# Altium PCB HORNET-1-IPG.PcbDoc (part 7 of 8) (continued)
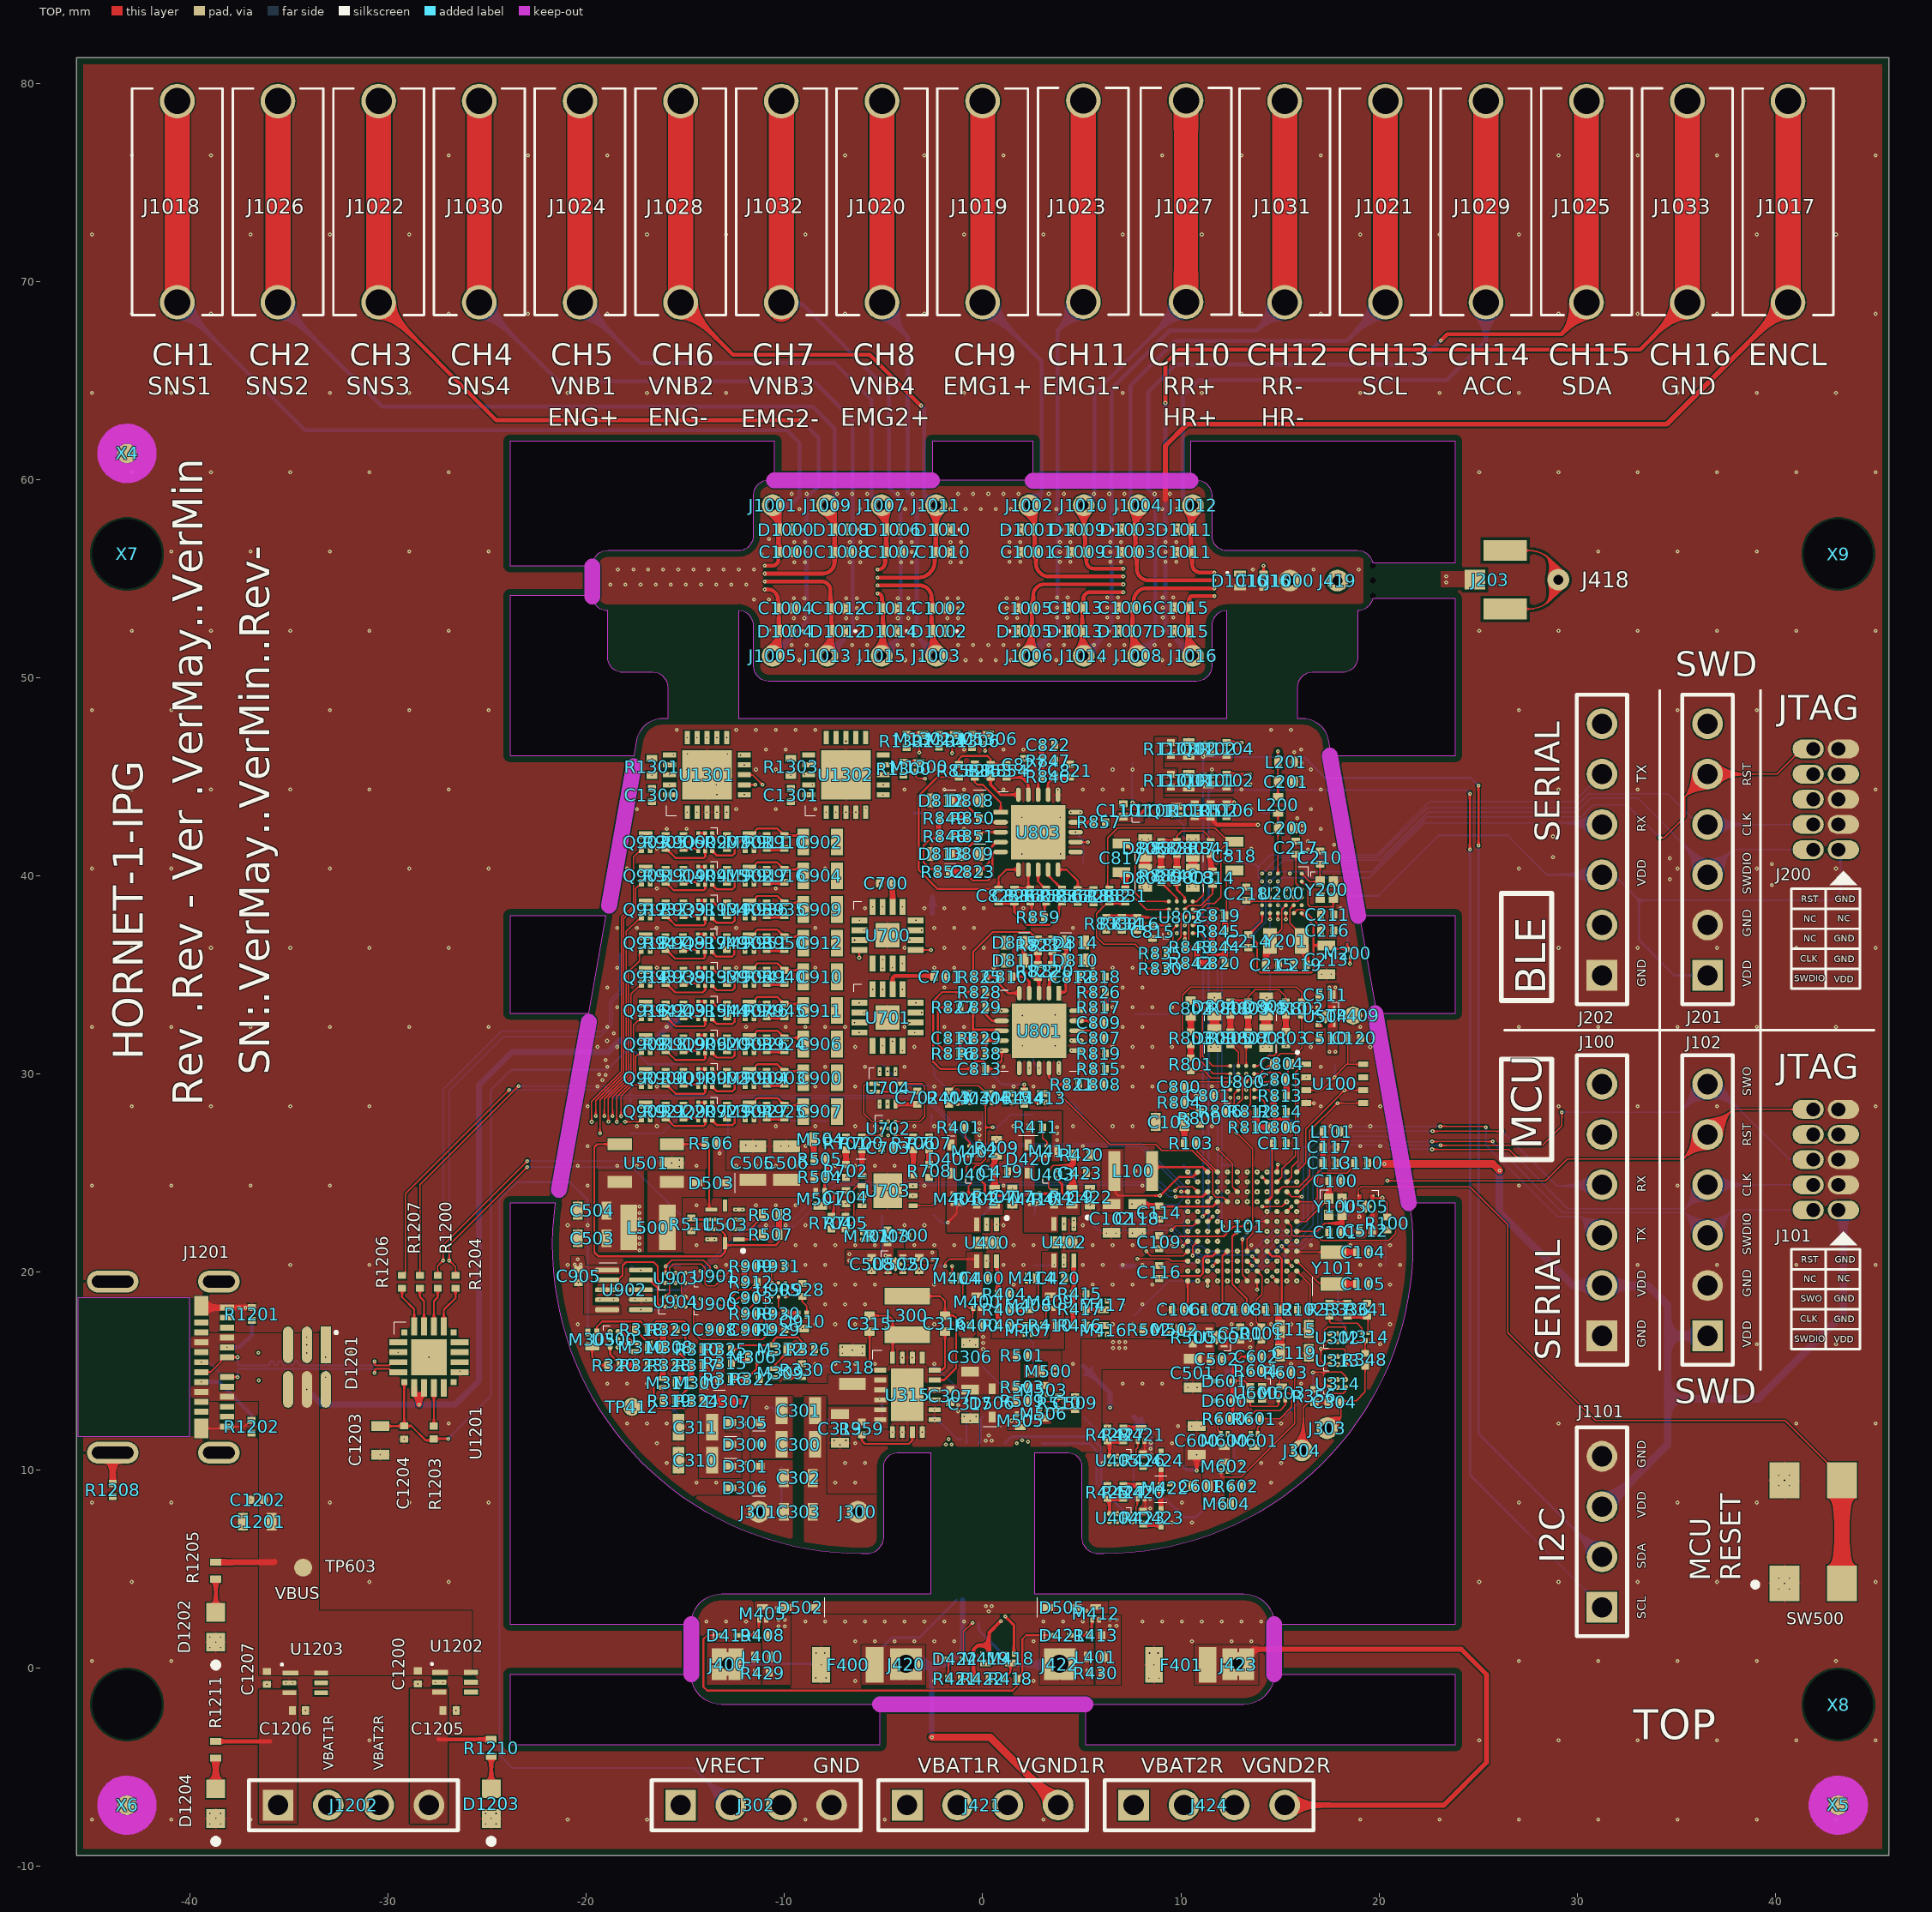
[diagram p0: TOP view]
## Nets (pads, with @x,y where several pads share a name; then routed paths per layer and width w, separated by ;. In a path a pad name is that pad's centre, name@x,y a point inside that pad or via, vN(x,y) a via of type N, cw(c..) or ccw(c..) an arc to the next point about the centre after c; other vN are vias at no path point) (continued)
  other v6: -4.902,20.828
  other v20: -20.579,20.374 -20.28,20.374 -20.43,20.637
VDDS_EN: U101.A4 U502.3 | length 28.6
  TOP w0.06: U502.3@-4.025,19.956 -3.984,19.997 v9(-3.984,20.034)
  DVERT w0.06: v12(-3.984,14.694) v9(-3.984,20.034) ; v12(14.35,14.694) v9(14.35,19.55)
  DHOR w0.06: v12(-3.984,14.694) v12(14.35,14.694)
VGND1R: F400.1 J420.1 J420.2 J420.3 J420.4 J421.4 pad.4@-3.875,0.221 TP407.1 | length 29.8
  TOP w0.381: v7(-2.565,-3.48) 0.381,-3.48 J421.4@3.81,-6.909
  GND w0.075: v17(-1.016,3.455) -0.821,3.65 -0.821,3.759 -0.821,5.778 -0.821,10.858 v17(-0.821,11.343)
  BOT w0.075: TP407.1@-2.533,15.233 -2.387,15.233 -0.821,13.668 v17(-0.821,11.343)
  BOT w0.254: pad.4@-3.875,0.221 -2.565,0.203 ; v7(-2.565,-3.48) -2.565,0.203 ; v17(-1.016,3.455) -1.016,0.921 -1.725,0.212 -1.725,0.194 -1.734,0.203 -2.565,0.203
  other v6: -2.565,-3.48
  other v7: -1.016,3.455 -0.821,11.343
  other v11: -1.016,3.455 -0.821,11.343
  other v18: -1.016,3.455 -0.821,11.343
VGND2R: F401.1 J423.1 J423.2 J423.3 J423.4 J424.4 pad.4@12.879,0.221 TP422.1 | length 56.2
  TOP w0.254: pad.4@12.879,0.221 13.665,0.965 24.152,0.965 25.425,-0.309 25.425,-4.75 23.266,-6.909 J424.4@15.24,-6.909
  GND w0.075: v17(2.99,11.344) 2.677,11.344 2.291,10.959 2.291,10.858 2.291,5.778 2.291,3.759 2.291,3.606 2.685,3.212 9.896,3.212 9.958,3.15 12.786,0.315 pad.4@12.879,0.221
  BOT w0.127: v17(2.99,11.344) 5.387,11.344 5.758,10.974 5.758,9.313 7.45,7.62 TP422.1@7.62,7.62
  other v7: 2.99,11.344
  other v11: 2.99,11.344
  other v18: 2.99,11.344
VIMP_3V3: C700.2 C701.2 C702.2 C703.2 C704.2 M700.3 R704.2 TP701.1 U700.14 U701.14 U702.C2 U703.3 U703.7 U704.6 | length 7.7
  TOP w0.1: R704.2@-7.638,22.812 -7.521,22.929 -7.521,23.895 -7.366,24.05 -6.961,24.05 v5(-6.901,24.111)
  TOP w0.191: U701.14@-4.55,34.263 -4.55,34.838 -4.438,34.95 C701.2@-2.4,34.95 ; U704.6@-4.4,28.472 -4.399,28.471 C702.2@-3.301,28.471
  TOP w0.254: U700.14@-4.55,38.425 v5(-4.55,39.621)
  BOT w0.254: TP701.1@-2.54,38.1 v7(-2.54,38.913)
  other v5: -3.73,21.85 -6.085,23.85 -5.105,26.271 -4.765,26.895 -3.3,28.47 -2.454,34.95
  other v11: -2.54,38.913
  other v18: -2.54,38.913
  other v24: -3.515,24.35
VMAGNET: C602.2 D600.1 D601.1 M603.2 R600.1 R601.1 R602.1 TP600.1 U600.2 | length 17.2
  TOP w0.06: R600.1@12.525,12.6 12.62,12.695 D600.1@12.62,13.5 ; v7(12.62,14.5) 13.225,14.5 13.35,14.375 13.35,14.35 13.475,14.225 U600.2@13.5,14.225 ; R601.1@13.375,12.6 13.375,12.625 13.5,12.75 13.525,12.75 13.775,13 15,13 15.275,13.275 M603.2@15.275,13.575
  TOP w0.1: v7(12.62,14.5) 12.62,15.287 13.06,15.727 C602.2@13.479,15.727
  TOP w0.254: R600.1@12.525,12.6 R601.1@13.375,12.6 ; D600.1@12.62,13.5 v7(12.62,14.5)
  DVERT w0.06: v7(12.62,14.5) 12.62,9.705 v6(13.125,9.2)
  BOT w0.06: TP600.1@10.16,15.24 10.16,14.58 10.719,14.021 12.141,14.021 v7(12.62,14.5)
  other v6: 12.62,14.5
VNS_STIM5: C909.2 U1301.16 | length 15.9
  AHOR w0.06: v15(-15.443,38.329) -15.415,38.3 v3(-7.35,38.3)
  AVERT w0.06: v8(-15.605,46.101) -15.575,46.071 -15.443,45.939 v15(-15.443,38.329)
VNS_STIM6: C910.2 U1301.20 | length 17.6
  AHOR w0.06: v15(-15.672,34.874) -15.646,34.9 v3(-7.35,34.9)
  AVERT w0.06: v8@-15.818,44.091 -15.672,43.944 v15(-15.672,34.874)
  other v8: -15.799,44.092
VNS_STIM7: C911.2 U1301.10 | length 17.8
  AHOR w0.06: v15(-12.219,33.2) v3(-7.35,33.2)
  AVERT w0.06: v15(-12.219,33.2) v8(-12.219,46.093)
VNS_STIM8: C912.2 U1301.7 | length 12.6
  TOP w0.06: U1301.7@-12.026,44.589 v8(-11.472,44.589)
  AHOR w0.06: v15(-11.293,36.597) -7.359,36.597 v3(-7.353,36.6) v3(-7.353,36.6)
  AVERT w0.06: v8(-11.472,44.589) -11.293,44.41 -11.293,41.578 v15(-11.293,36.597)
VPP: C1300.2 C1301.2 M501.3 R900.1 R901.1 R902.2 R905.1 R906.1 R907.2 R913.1 R914.1 R915.2 R918.1 R919.1 R920.2 R921.1 R922.1 R923.2 R932.1 R933.1 R934.2 R937.1 R938.1 R939.2 R942.1 R943.1 R944.2 R947.1 R948.1 R949.2 R1300.1 R1301.2 R1302.1 R1303.2 R1304.1 R1306.1 TP506.1 | length 1
  TOP w0.06: v5(-4,45.075) R1300.1@-4,45.085
  BOT w0.1: v7(-3.48,43.155) -3.467,43.167 -2.553,43.167 TP506.1@-2.54,43.18
  other v5: -8.368,23.35 -8.025,23.35 -16,28.425 -15.1,28.425 -12.9,28.425 -16,30.125 -15.1,30.125 -12.9,30.125 -16,31.825 -15.1,31.825 -12.9,31.825 -16,33.525 -15.1,33.525 -12.9,33.525 -16,35.225 -15.1,35.225 -12.9,35.225 -16.003,36.925 -15.103,36.925 -12.903,36.925 -16,38.625 -15.1,38.625 -12.9,38.625 -16,40.325 -15.1,40.325 -12.9,40.325 -16,42.025 -15.1,42.025 -12.9,42.025 -16.696,44.407 -9.686,44.407 -16.696,45.067 -9.686,45.067 -3.839,46.475 -2.2,46.485 -0.533,46.475
  other v11: -3.48,43.155
  other v18: -3.48,43.155
VPPSW_EN: M504.1 TP514.1 U101.K12 | length 25.4
  TOP w0.06: v9(-7.85,26.47) M504.1@-7.85,26.475 ; v9(10.009,24.059) 10.013,24.055 10.345,24.055 U101.K12@10.35,24.05
  DVERT w0.06: v9(-7.85,26.47) v12@-7.85,27.618 ; v12(9.99,27.621) 9.99,24.078 v9(10.009,24.059)
  DHOR w0.06: v12@-7.85,27.618 v7(-7.848,27.62) 9.989,27.62 v12(9.99,27.621)
  BOT w0.06: TP514.1@-10.16,27.94 -9.983,27.94 -9.663,27.62 v7(-7.848,27.62)
  other v12: -7.848,27.62
VRECT: C310.2 C311.2 C318.2 D300.1 D301.1 D307.2 J302.2 M300.3 M305.2 R310.1 R315.1 R316.1 R317.1 R324.1 R325.1 TP308.1 U315.2 U315.3 U315.4 | length 60.4
  TOP w0.1: v7(-5.207,13.589) -5.175,13.557 U315.4@-5.175,13.55
  POWER w0.1: v7(-19.925,16.95) -19.465,17.41 -15.036,17.41 -14.075,16.449 v5(-14.075,16.1)
  BOT w0.1: v7(-19.925,16.95) -19.925,23.633 -20.828,24.536 -23.52,24.536 -24.384,23.673 -24.384,-4.369 -23.724,-5.029 -14.58,-5.029 J302.2@-12.7,-6.909 ; v7(-5.207,13.589) -5.207,13.562 -5.08,13.435 TP308.1@-5.08,12.7
  other v5: -19.925,16.95
  other v6: -5.207,13.589
  other v11: -19.925,16.95
  other v18: -19.925,16.95
VRECT.DET: M308.3 R329.1 TP311.1 U101.E10 | length 37.6
  TOP w0.1: M308.3@-16.15,16.2 M308.3@-16.125,16.225
  TOP w0.254: M308.3@-16.125,16.225 v7(-16.125,17.1)
  DVERT w0.1: v7(-16.125,17.1) -16.119,17.106 -16.119,19.782 v11(-16.106,19.795) ; v11(11.1,19.795) 11.1,21.3 v9(11.35,21.55)
  DHOR w0.1: v11(-16.106,19.795) -6.667,19.795 -6.5,19.627 2.912,19.627 3.08,19.795 v11(11.1,19.795)
  BOT w0.1: v7(-16.125,17.1) -16.125,13.585 TP311.1@-15.24,12.7
  other v9: -16.125,17.1
  other v11: -16.125,17.1
VRECT.MON: TP310.1 U101.M3 U300.A1 U300.C2 | length 47.9
  TOP w0.06: U101.M3@14.85,25.05 14.872,25.072 14.872,25.399 v6(14.893,25.421)
  DVERT w0.06: v11(-17.8,17.7) v12(-17.8,25.421) v7(-17.8,27)
  AVERT w0.06: v6(-18.8,17) -18.4,16.6 v8(-18.4,16.2)
  DHOR w0.06: v6(-18.8,17) -18.8,17.5 -18.6,17.7 v11(-17.8,17.7) ; v12(-17.8,25.421) v6(14.893,25.421)
  BOT w0.06: v7(-17.8,27) -16.18,27 TP310.1@-15.24,27.94
  other v11: -17.8,27
VRECT.MON_EN: M310.1 TP309.1 U101.J3 U300.A2 | length 56.4
  TOP w0.1: U300.A2@-18.3,17 -18.2,17 -17.625,16.425 v6(-17.55,16.425)
  DVERT w0.1: v6(14.85,23.55) v11(14.85,25.05) ; v11(19.851,16.49) 19.853,16.492 19.853,23.548 v11(19.854,23.55)
  DHOR w0.1: v6(-17.55,16.425) 11.949,16.425 12.174,16.65 15.031,16.65 15.191,16.49 v11(19.851,16.49) ; v6(14.85,23.55) v11(19.854,23.55) ; v11(14.85,25.05) v7(15.926,25.05)
  BOT w0.1: TP309.1@15.24,27.94 15.926,27.254 v7(15.926,25.05)
  other v11: 15.926,25.05
VRECT.OVP: M309.3 R330.1 TP312.1 U101.F11 | length 30
  TOP w0.1: M309.3@-9.85,14.9 -9.85,14.888 M309.3@-9.7,14.738
  TOP w0.254: M309.3@-9.7,14.738 v7(-9.1,14.738)
  DVERT w0.1: v11(-9.4,21.76) -9.4,15.038 v7(-9.1,14.738) v9@-9.087,14.726
  DHOR w0.1: v11(-9.4,21.76) 10.565,21.76 10.85,22.045 v6(10.85,22.05)
  BOT w0.1: v7(-9.1,14.738) -8.598,15.24 TP312.1@-7.62,15.24
  other v9: -9.1,14.738
  other v11: -9.1,14.738
VS2_CHG: R359.2 U315.9 | length 3.4
  TOP w0.1: R359.2@-6.1,11.775 -6.1,11.48 -5.944,11.324 -3.73,11.324 -3.55,11.504 U315.9@-3.55,11.925
XL_ACC: C1011.2 C1102.2 D1011.2 J1012.1 J1029.1 J1029.2 R1105.2 | length 56.2
  TOP w0.2: C1011.2@10.567,56.285 10.567,55.728 ccw(c10.99,55.728) 10.99,55.305 v13(11.692,55.305) ; C1011.2@10.567,56.335 cw(c10.567,56.4) 10.502,56.4 10.502,57.576 10.502,58.62 cw(c10.58,58.62) J1012.1@10.58,58.697 ; R1105.2@10.7,42.975 11.53,42.975 11.61,42.895 11.61,42.79 11.83,42.57 v1(13.894,42.57)
  TOP w1.27: J1029.1@25.4,68.936 J1029.2@25.4,79.096
  GND w0.2: v13@11.694,55.306 v13(11.692,55.305) 11.973,55.305 cw(c11.973,53.377) 13.9,53.377 13.9,42.577 v1(13.894,42.57)
  BOT w0.203: J1012.1@10.58,58.697 10.111,59.166 10.111,59.977 10.111,64.238 10.897,65.024 23.419,65.024 25.4,67.005 J1029.1@25.4,68.936
  other v8: 11.692,55.305
  other v10: 11.692,55.305
XL_GND: C1015.2 C1102.1 D1015.2 J1016.1 J1033.1 J1033.2 R1106.2 | length 69.2
  TOP w0.2: J1016.1@10.6,51.097 cw(c10.6,51.34) 10.39,51.218 cw(c10.6,51.34) 10.357,51.34 D1015.2@10.357,52.344 10.357,53.47 cw(c10.422,53.47) C1015.2@10.422,53.535 10.422,53.95 cw(c10.581,53.95) 10.581,54.109 v13(11.7,54.109) ; R1106.2@12.3,43.625 12.228,43.697 12.3,43.697 v1(12.698,43.697)
  TOP w0.203: v6(9.22,63.862) 9.22,65.862 9.906,66.548 18.996,66.548 33.172,66.548 J1033.1@35.56,68.936
  TOP w1.27: J1033.1@35.56,68.936 J1033.2@35.56,79.096
  GND w0.2: v13(11.7,54.109) 11.969,54.109 cw(c11.969,53.377) 12.7,53.377 12.7,53.373 12.7,47.957 12.7,43.699 v1(12.698,43.697)
  BOT w0.203: v6(9.22,63.862) 9.223,63.859 9.223,59.977 9.223,55.809 9.223,54.135 9.223,52.474 J1016.1@10.6,51.097
  other v7: 9.22,63.862
  other v8: 11.7,54.109
  other v10: 11.7,54.109
XL_SCL: C1003.2 D1003.2 J1004.1 J1021.1 J1021.2 R1102.2 | length 50.6
  TOP w0.2: C1003.2@7.773,56.285 7.773,55.506 ccw(c8.373,55.506) 8.373,54.906 v8(11.7,54.906) ; C1003.2@7.773,56.335 cw(c7.773,56.4) 7.708,56.4 7.708,57.576 7.708,58.569 cw(c7.836,58.569) J1004.1@7.836,58.697 ; R1102.2@12.3,45.1 12.309,45.109 v1(13.49,45.109)
  TOP w1.27: J1021.1@20.32,68.936 J1021.2@20.32,79.096
  GND w0.2: v8(11.7,54.906) 11.971,54.906 cw(c11.971,53.377) 13.5,53.377 13.5,45.119 v1(13.49,45.109)
  BOT w0.2: 7.457,64.734 7.457,59.977 7.457,59.076 J1004.1@7.836,58.697
  BOT w0.203: 7.457,64.734 9.703,66.98 18.364,66.98 J1021.1@20.32,68.936
  other v10: 11.7,54.906
  other v13: 11.7,54.906
XL_SDA: C1006.2 D1007.2 J1008.1 J1025.1 J1025.2 R1104.2 | length 65.1
  TOP w0.2: J1008.1@7.855,51.097 cw(c7.857,51.391) 7.585,51.28 cw(c7.857,51.391) 7.563,51.391 D1007.2@7.563,52.345 7.563,53.47 cw(c7.628,53.47) C1006.2@7.628,53.535 7.628,53.882 cw(c8.255,53.882) 8.255,54.508 8.255,54.506 v13(11.7,54.506) ; R1104.2@12.3,46.725 12.325,46.7 12.331,46.706 v1(13.081,46.706)
  TOP w0.203: v6(23.114,67.005) 23.444,67.335 29.21,67.335 30.469,68.595 J1025.1@30.469,68.937
  TOP w1.27: J1025.1@30.469,68.937 J1025.2@30.469,79.097
  GND w0.2: v13(11.7,54.506) 11.971,54.506 cw(c11.971,53.377) 13.1,53.377 13.1,46.724 v1(13.081,46.706)
  BOT w0.203: J1008.1@7.855,51.097 8.712,51.953 8.712,59.154 8.354,59.512 8.354,60.353 8.354,64.407 9.758,65.811 21.92,65.811 v6(23.114,67.005)
  other v7: 23.114,67.005
  other v8: 11.7,54.506
  other v10: 11.7,54.506
pads on no net: D1201.3 D1201.4 J100.5 J100.6 J101.7 J101.8 J200.6 J200.7 J200.8 J201.6 J202.2 J202.6 J302.1 J302.3 J421.1 J421.3 J424.1 J424.3 J1201.A2 J1201.A3 J1201.A8 J1201.A10 J1201.A11 J1201.B2 J1201.B3 J1201.B8 J1201.B10 J1201.B11 U100.7 U101.D5 U101.H3 U101.M2 U200.A5 U200.F4 U200.F5 U200.G3 U200.G5 U300.B2 U302.B2 U313.B2 U314.B2 U315.17 U404.B2 U405.B2 U503.5 U600.1 U700.5 U701.5 U801.11 U803.11 U903.3 U904.3 U905.C3 U1201.1 U1201.2 U1201.10 U1201.11 U1201.13 U1201.14 U1201.15 U1201.16 U1202.4 U1202.5 U1203.4 U1203.5 U1302.9 U1302.10 U1302.11 U1302.12 U1302.14 U1302.15 U1302.16 U1302.17 X1.Fid X2.Fid X3.Fid X4.Fid X5.Fid X6.Fid X7.1 X8.1 X9.1 Y100.2 Y200.2

## Polygon pours and split planes (outlines as drawn)
GND on TOP "GNDNET_L01_P296" (solid, remove dead copper, pour order 306): 45.72,-9.449 45.72,1.513 45.72,81.28 -45.72,81.28 -45.72,-9.449
ENCL on TOP "ENCL_L01_P136" (solid, remove dead copper, pour order 136): -16.205,59.968 17.345,59.968 19.202,58.11 19.202,51.117 17.893,49.808 -18.088,49.808 -19.68,51.399 -19.68,56.493
V_UNREG on TOP "NONET_L-01_P-001" (solid, pour order 209): 5.983,13.224 5.983,15.526 4.985,15.526 4.985,12.14 1.9,12.14 1.9,16.036 0.889,16.036 0.889,13.506 -0.119,13.506 -0.119,10.922 5.983,10.922
VBUS on TOP "NONET_L-01_P-001" (solid, pour order 239): -33.5,16.9 -40,16.9 -40,13.5 -33.5,13.5
NetC1205_1 on TOP "NONET_L-01_P-001" (solid, pour order 218): -28.9,-7.829 -27,-7.829 -27,-1.029 -28.9,-1.029
VCHG_RAIL on TOP "TOP-VCHG_RAIL" (solid, pour order 304): -1.295,14.317 -1.295,15.519 -0.3,15.519 -0.3,18.4 0.4,18.4 0.4,16.6 3.4,16.6 3.394,18.4 4.1,18.4 4.1,16.1 0.813,16.1 0.813,13.817 -2,13.817 -2,13.9 -2.8,13.9 -2.8,14.2 -2,14.2 -2,14.317
NetM500_2 on TOP "NONET_L-01_P-001" (solid, pour order 303): 3.31,15.485 3.31,14.948 3.96,14.948 3.96,16.021 2.08,16.021 2.08,15.485 2.5,15.485
NetM500_1 on TOP "NONET_L-01_P-001" (solid, pour order 210): 3.31,14.5 3.31,14.962 3.96,14.962 3.96,13.964 2.08,13.964 2.08,14.5 2.5,14.5
VBAT2SW on TOP "VBAT2SW_L01_P274" (solid, pour order 274): 7.854,10.684 7.854,10.979 8.055,11.18 8.055,11.619 8.136,11.7 8.618,11.7 8.619,11.699 8.619,10.581 7.957,10.581
VGND1R on TOP "NONET_L-01_P-001" (solid, pour order 186): -6.1,1.171 -2.9,1.171 -2.9,-0.829 -6.1,-0.829
ANT+ on TOP "NONET_L-01_P-001" (solid, pour order 203): 24.978,55.361 23.117,55.361 23.117,54.561 24.978,54.561
VRECT on TOP "TOP-VRECT" (solid, pour order 298): -7.8,13.3 -4.8,13.3 -4.8,14.8 -7.8,14.8 -7.8,14.337 -13.03,14.337 -13.03,16.4 -14.3,16.4 -14.3,9.6 -12.2,9.6 -12.2,11.9 -13.03,11.9 -13.03,13.7 -7.8,13.7
VGND2R on TOP "NONET_L-01_P-001" (solid, pour order 187): 10.7,1.171 13.9,1.171 13.9,-0.829 10.7,-0.829
VBAT2R on TOP "NONET_L-01_P-001" (solid, pour order 188): 2.9,1.271 5.6,1.271 5.6,-0.829 2.9,-0.829
VBAT1R on TOP "NONET_L-01_P-001" (solid, pour order 193): -13.9,1.271 -11.2,1.271 -11.2,-0.829 -13.9,-0.829
VBAT1F on TOP "NONET_L-01_P-001" (solid, pour order 195): -11.1,-0.829 -11.1,2.671 -9.703,2.671 -9.703,-0.829
VBAT2F on TOP "NONET_L-01_P-001" (solid, pour order 196): 5.7,-0.829 5.7,2.671 6.96,2.671 6.96,-0.829
VBAT1SW on TOP "NONET_L-01_P-001" (solid, pour order 205): -11.5,3.371 -9.5,3.371 -9.5,2.771 -11.5,2.771
VBAT2SW on TOP "NONET_L-01_P-001" (solid, pour order 206): 4.3,3.371 6.3,3.371 6.3,2.771 4.3,2.771
V_UNREG on TOP "NONET_L-01_P-001" (solid, pour order 208): -8.9,3.371 -8.9,2.771 3.7,2.771 3.7,3.371
NetC1206_2 on TOP "NONET_L-01_P-001" (solid, pour order 216): -36.5,-7.829 -34.6,-7.829 -34.6,-1.076 -36.5,-1.076
VDDS on TOP "TOP-VDDS" (solid, pour order 254): -20.759,19.9 -20.1,19.9 -20.1,17.9 -18.3,17.9 -18.3,18.3 -19.7,18.3 -19.7,19.9 -18.3,19.9 -18.3,20.315 -20.041,20.315 -20.137,20.8 -20.759,20.8
VBAT1SW on TOP "VBAT1SW_L01_P296" (solid, pour order 296): 7.854,7.784 7.854,8.079 8.055,8.28 8.055,8.719 8.136,8.8 8.482,8.8 8.619,8.663 8.619,7.944 8.356,7.681 7.957,7.681
V_UNREG on TOP "TOP-V_UNREG" (solid, pour order 272): 11.7,15.1 11.7,16.3 11.4,16.6 4.985,16.6 4.985,15.1
DVDD on TOP "DVDD_L01_P266" (solid, pour order 266): 11.895,16.312 12.397,16.814 13.711,16.814 13.711,16.045 11.895,16.045
HVOUT on TOP "TOP-NetC505_1" (solid, remove dead copper, pour order 249): -13.6,23.8 -8.2,23.8 -8.2,25.1 -13,25.1 -13,26.8 -13.6,26.8 -13.6,25.1
V_UNREG on TOP "NONET_L-01_P-001" (solid, pour order 163): 17.9,32.8 17.7,32.8 17.4,32.5 17.4,31 17.9,31
VDDA on TOP "NONET_L-01_P-001" (solid, pour order 164): 17.4,33.3 17.4,34.491 17.9,34.491 17.9,33 17.7,33
DVDD on TOP "NONET_L-01_P-001" (solid, pour order 242): 19.434,22.796 19.834,23.196 19.934,23.196 19.934,22.596 19.934,21.796 19.434,21.796
VDDS on TOP "NONET_L-01_P-001" (solid, pour order 236): -4,21.8 -5.1,21.8 -5.1,21.1 -6.898,21.1 -6.898,20.4 -4.9,20.4 -4.5,20.8 -4.5,21.2 -4,21.2
V_UNREG on TOP "NONET_L-01_P-001" (solid, pour order 234): -4.3,20.8 -4.3,21.1 -2.3,21.1 -2.3,20.5 -4,20.5
NetM505_1 on TOP "NONET_L-01_P-001" (solid, pour order 214): 2.686,13.7 2.686,12.868 3.443,12.868 3.443,12.325 1.9,12.325 1.9,13.7
VBAT2F on TOP "NONET_L-01_P-001" (solid, pour order 233): 2.1,26.1 2.1,28.1 4,28.1 4,25.6 3.5,25.6 3.5,27.6 2.6,27.6 2.6,26.1
VBAT1F on TOP "NONET_L-01_P-001" (solid, pour order 231): -1.8,26.1 -1.8,28.1 0.1,28.1 0.1,25.6 -0.4,25.6 -0.4,27.6 -1.3,27.6 -1.3,26.1
NetD420_2 on TOP "NONET_L-01_P-001" (solid, pour order 230): 2.6,23.8 2.1,23.8 2.1,26 3.4,26 3.4,25.6 2.6,25.6
NetD400_2 on TOP "NONET_L-01_P-001" (solid, pour order 228): -1.3,23.8 -1.8,23.8 -1.8,26 -0.5,26 -0.5,25.6 -1.3,25.6
VBAT1CHG on TOP "NONET_L-01_P-001" (solid, pour order 227): -0.1,22 -0.1,22.9 1,22.9 1,23.7 -1.8,23.7 -1.8,22
VBAT2CHG on TOP "NONET_L-01_P-001" (solid, pour order 221): 3.8,22 3.8,22.9 4.9,22.9 4.9,23.7 2.1,23.7 2.1,22
NetC400_1 on TOP "NONET_L-01_P-001" (solid, pour order 220): 0,21 0,18.5 -0.8,18.5 -0.8,21
NetC420_1 on TOP "NONET_L-01_P-001" (solid, pour order 219): 3.8,21 3.8,18.5 3,18.5 3,21
VBUS on TOP "NONET_L-01_P-001" (solid, pour order 215): -25.781,-0.356 -36.5,-0.356 -36.5,13.5 -33.5,13.5 -33.5,2.9 -25.781,2.9
HVIN on TOP "NONET_L-01_P-001" (solid, pour order 179): 1.295,12.621 2.17,12.621 2.17,12.029 1.295,12.029
HVIN on TOP "NONET_L-01_P-001" (solid, pour order 169): 2.08,15.335 3.157,15.335 3.157,14.66 2.08,14.66
VCC_CHG on TOP "NONET_L-01_P-001" (solid, pour order 202): -4.8,13.2 -7.8,13.2 -7.8,12.1 -4.8,12.1
COIL_PAD_2 on TOP "NONET_L-01_P-001" (solid, pour order 143): -9.6,10.5 -11.7,10.5 -11.7,8.7 -14.9,8.7 -14.9,6.3 -9.6,6.3
HVIN on TOP "NONET_L-01_P-001" (solid, pour order 184): -17.1,25.1 -19.4,25.1 -19.4,21 -17.1,21
NetD503_2 on TOP "NONET_L-01_P-001" (solid, pour order 185): -16.9,21 -16.9,25.1 -14,25.1 -14,23.8 -15.2,23.8 -15.2,21
VCARR on TOP "NONET_L-01_P-001" (solid, pour order 151): -9.6,10.6 -9.6,13.735 -11.7,13.735 -11.7,10.6
COIL_PAD_1 on TOP "NONET_L-01_P-001" (solid, pour order 142): -7.9,13.735 -9,13.735 -9,5.8 -5.1,5.8 -5.1,8.765 -7.9,8.765
DVDD on TOP "NONET_L-01_P-001" (solid, pour order 183): 6.8,43.2 8.1,43.2 8.1,42.7 6.8,42.7
NetQ1103_3 on TOP "NONET_L-01_P-001" (solid, pour order 178): 11,43.3 8.7,43.3 8.7,47 9.8,47 9.8,46.5 9.1,46.5 9.1,45.4 9.8,45.4 9.8,44.9 9.1,44.9 9.1,43.9 11,43.9
XL_ACC on TOP "NONET_L-01_P-001" (solid, pour order 168): 11.8,43.2 10.4,43.2 10.4,42.5 11.8,42.5
XL_GND on TOP "NONET_L-01_P-001" (solid, pour order 167): 11.2,43.3 12.6,43.3 12.6,43.9 11.2,43.9
ACC.SDA on TOP "NONET_L-01_P-001" (solid, pour order 166): 12.6,45.8 12.6,46.4 9.2,46.4 9.2,45.8
ACC.SCL on TOP "NONET_L-01_P-001" (solid, pour order 165): 12.6,44.2 12.6,44.8 9.2,44.8 9.2,44.2
VDD11 on TOP "NONET_L-01_P-001" (solid, pour order 162): 7.1,23 7.1,26.2 6,26.2 6,23
NetM502_3 on TOP "NONET_L-01_P-001" (solid, pour order 156): 9.7,17.4 11.7,17.4 11.7,17.1 11.4,16.8 9.7,16.8
RC2_VC on TOP "NONET_L-01_P-001" (solid, remove dead copper, pour order 139): 12.2,8.3 12.2,10.1 11.1,10.1 11.1,8.3
BATT_SW on TOP "NONET_L-01_P-001" (solid, remove dead copper, pour order 137): 12.5,11.4 10.2,11.4 10.2,10.2 12.5,10.2
no net on Layer0 "Default Coverlay 2 Bottom" (split plane): -2.603,3.759 2.604,3.759 2.604,10.922 -2.603,10.922
no net on Layer0 "Default Coverlay 2 Bottom" (split plane): -18.923,51.021 -18.923,50.946 -18.894,50.798 -18.836,50.66 -18.753,50.535 -18.647,50.429 -18.522,50.345 -18.383,50.288 -18.236,50.259 -18.161,50.259 -16.637,50.259 -16.562,50.255 -16.416,50.226 -16.278,50.169 -16.154,50.086 -16.048,49.98 -15.965,49.856 -15.908,49.718 -15.879,49.571 -15.875,49.497 -15.875,47.893 -15.886,47.893 -12.319,47.893 -12.319,53.373 -18.923,53.373
no net on Layer0 "Default Coverlay 2 Bottom" (split plane): 12.319,47.893 12.319,53.373 18.923,53.373 18.923,51.021 18.923,50.946 18.894,50.798 18.836,50.66 18.753,50.535 18.647,50.429 18.522,50.345 18.383,50.288 18.236,50.259 18.161,50.259 16.637,50.259 16.562,50.255 16.416,50.226 16.278,50.169 16.154,50.086 16.048,49.98 15.965,49.856 15.908,49.718 15.879,49.571 15.875,49.497 15.875,47.893
GND on GND "GNDNET_L04_P291" (solid, remove dead copper, pour order 291): -45.72,-9.449 45.72,-9.449 45.72,1.513 45.72,81.28 -45.72,81.28
ANT+ on GND "NONET_L-01_P-001" (solid, remove dead copper, pour order 199): 23.585,55.54 17.598,55.54 17.598,54.254 23.585,54.254
VBAT2R on GND "NONET_L-01_P-001" (solid, pour order 238): -31.46,-7.829 -29.46,-7.829 -29.46,-5.829 9.1,-5.829 9.1,-7.829 11.2,-7.829 11.2,-4.329 -31.46,-4.329
DVDD on POWER "POWER-DVDD" (solid, pour order 252): 4.599,11.149 5.142,10.605 5.142,5.952 7.322,5.952 9.987,6.483 11.134,6.807 12.252,7.219 13.335,7.718 14.374,8.301 15.365,8.963 16.306,9.701 17.177,10.51 17.836,11.223 18.294,11.776 18.724,12.321 19.386,13.312 19.581,13.661 19.968,14.352 20.467,15.434 20.88,16.552 21.203,17.699 21.436,18.868 21.576,20.052 21.622,21.243 21.576,22.434 21.445,23.543 21.433,23.549 21.307,23.681 21.24,23.851 19.732,32.351 19.736,32.534 19.809,32.702 19.828,32.719 18.889,38.046 18.881,38.049 18.754,38.181 18.688,38.352 17.449,45.352 17.453,45.535 17.527,45.702 17.537,45.712 17.363,46.695 17.358,46.694 17.347,46.776 17.252,47.006 17.101,47.203 16.904,47.354 16.674,47.449 16.43,47.481 16.306,47.504 16.202,47.574 16.186,47.598 12.871,47.598 12.867,47.596 12.859,47.598 12.853,47.596 6.697,47.596 6.697,41.352 8.213,39.836 11.916,39.836 12.861,38.891 12.861,35.487 13.807,34.541 18.01,34.541 18.544,34.007 18.544,28.026 17.591,27.073 10.726,27.073 10.726,27.722 10.441,28.007 9.941,28.007 9.761,27.827 9.761,26.907 7.226,26.907 7.226,24.372 7.226,22.857 7.226,15.984 3.587,15.984 3.149,15.545 3.149,12.232 0.623,12.232 -3.757,16.613 -14.265,16.607 -14.975,17.317 -19.404,17.317 -19.863,16.857 -20.362,16.857 -20.276,16.552 -20.174,16.276 -19.863,15.434 -19.364,14.352 -18.782,13.312 -18.12,12.321 -17.382,11.385 -16.573,10.51 -15.766,9.763 -15.513,9.555 -14.762,8.963 -13.771,8.301 -12.731,7.718 -11.649,7.219 -10.53,6.807 -9.383,6.483 -8.214,6.251 -7.031,6.111 -5.781,6.069 -5.611,6.101 -5.467,6.197 -5.371,6.341 -5.339,6.511 -5.339,10.067 -5.342,10.067 -5.305,10.348 -5.197,10.609 -5.024,10.834 -4.799,11.007 -4.538,11.115 -4.257,11.152 -4.257,11.149
VDDA on POWER "VDDA_L05_P302" (solid, pour order 302): 18.886,28.522 18.886,33.697 17.949,34.634 13.746,34.634 12.8,35.58 12.8,38.984 11.931,39.929 8.152,39.929 6.636,41.445 6.636,47.689 2.464,47.689 -1.4,43.825 -1.4,27 9.7,27 9.7,27.92 9.88,28.1 10.38,28.1 10.665,27.811 10.665,27.166 17.53,27.166
VIMP_3V3 on POWER "VIMP_3V3_L05_P285" (solid, pour order 285): -4.366,20.9 -1.4,23.866 -1.4,40.218 -6.728,40.218 -7.5,39.446 -7.5,23.159 -4.799,23.159 -4.366,22.726
HVIN on POWER "HVIN_L05_P262" (solid, remove dead copper, pour order 262): 0.652,12.325 -6.5,19.477 -6.5,21.1 -16.801,21.1 -17.1,20.801 -17.3,20.8 -17.459,20.959 -17.46,23.333 -17.436,23.391 -17.391,23.436 -17.332,23.46 -17.135,23.46 -16.834,23.159 -4.799,23.159 -4.366,22.726 -4.366,19.706 -0.169,15.51 3.082,15.51 3.082,12.325
VDDS on POWER "VDDS_L05_P301" (solid, pour order 301): -15.036,17.41 -14.326,16.7 -3.676,16.706 -6.5,19.53 -6.5,21.101 -16.8,21.101 -17.1,20.801 -17.3,20.8 -17.459,20.959 -17.459,22.202 -21.047,22.202 -21.082,21.336 -21.059,20.801 -21.031,20.142 -20.893,18.961 -20.661,17.793 -20.423,16.95 -19.925,16.95 -19.465,17.41
VBAT1R on POWER "NONET_L-01_P-001" (solid, pour order 260): -34,-7.829 -32,-7.829 -32,-5.829 -2.3,-5.829 -2.3,-7.829 -0.2,-7.829 -0.2,-4.329 -34,-4.329
V_UNREG on POWER "POWER-V_UNREG" (solid, pour order 244): -2.745,20.501 5.999,20.501 6.3,20.2 6.3,16.054 7.339,16.054 7.339,29.724 7.824,30.209 17.742,30.209 17.971,30.438 17.971,31.121 17.956,31.194 17.915,31.256 17.853,31.297 17.78,31.312 17.511,31.312 17.438,31.297 17.376,31.256 17.335,31.194 17.32,31.121 17.32,30.524 7.339,30.524 6.3,29.485 6.3,21.4 6.001,21.101 -2.745,21.101
VPP on POWER "VPP_L05_P294" (solid, remove dead copper, pour order 294): -16.558,47.296 -16.361,47.447 -16.132,47.542 -15.887,47.575 -15.886,47.573 -15.763,47.598 -15.659,47.667 -15.644,47.689 2.556,47.689 -1.4,43.733 -1.4,40.218 -6.728,40.218 -7.5,39.446 -7.5,37.725 -7.5,23.159 -16.834,23.159 -17.041,23.366 -17.15,23.475 -17.404,23.475 -17.46,23.419 -17.46,22.202 -21.047,22.202 -21.033,22.527 -20.901,23.637 -20.891,23.642 -20.764,23.774 -20.698,23.945 -19.19,32.445 -19.193,32.628 -19.267,32.795 -19.285,32.813 -18.35,38.113 -18.338,38.119 -18.211,38.252 -18.145,38.422 -16.907,45.445 -16.911,45.628 -16.994,45.805 -16.805,46.87 -16.709,47.099
VCHG_RAIL on POWER "VCHG_RAIL_L05_P268" (solid, pour order 268): -0.157,15.497 -4.366,19.706 -4.366,20.9 -1.4,23.958 -1.4,27 1.734,27 6.3,27 6.3,16.053 3.531,16.053 2.975,15.497
no net on Layer0 "Default Coverlay 2 Top" (split plane): -2.603,3.759 2.604,3.759 2.604,10.922 -2.603,10.922
no net on Layer0 "Default Coverlay 2 Top" (split plane): -18.923,51.021 -18.923,50.946 -18.894,50.798 -18.836,50.66 -18.753,50.535 -18.647,50.429 -18.522,50.345 -18.383,50.288 -18.236,50.259 -18.161,50.259 -16.637,50.259 -16.562,50.255 -16.416,50.226 -16.278,50.169 -16.154,50.086 -16.048,49.98 -15.965,49.856 -15.908,49.718 -15.879,49.571 -15.875,49.497 -15.875,47.893 -15.886,47.893 -12.319,47.893 -12.319,53.373 -18.923,53.373
no net on Layer0 "Default Coverlay 2 Top" (split plane): 12.319,47.893 12.319,53.373 18.923,53.373 18.923,51.021 18.923,50.946 18.894,50.798 18.836,50.66 18.753,50.535 18.647,50.429 18.522,50.345 18.383,50.288 18.236,50.259 18.161,50.259 16.637,50.259 16.562,50.255 16.416,50.226 16.278,50.169 16.154,50.086 16.048,49.98 15.965,49.856 15.908,49.718 15.879,49.571 15.875,49.497 15.875,47.893
GND on AVERT "GND_L02_P317" (solid, remove dead copper, pour order 317): -31.471,14.046 -31.471,16.3 -27.838,16.3 -27.838,14.046
GND on AVERT "GND_L02_P310" (solid, remove dead copper, pour order 310): 14.503,38.735 14.658,38.58 16.656,38.58 16.809,38.733 16.808,46.515 16.637,46.685 14.656,46.685 14.503,46.533
DEFIB_COMMON on AVERT "|" (solid, pour order 305): 10.871,56.226 13.469,56.226 13.469,53.645 10.871,53.645 10.871,52.121 -10.408,52.121 -10.402,57.785 10.871,57.785
NetJ1201_1 on AVERT "NONET_L-01_P-001" (solid, pour order 259): -45.5,20.5 -37.3,20.5 -37.3,10 -45.5,10
GND on DHOR "GND_L07_P309" (solid, remove dead copper, pour order 309): -39.7,13.919 -39.7,16.358 -27.483,16.358 -27.483,13.919
ENCL on AHOR "ENCL_L03_P293" (solid, pour order 293): -16.205,59.968 17.345,59.968 19.202,58.11 19.202,51.117 17.893,49.808 -18.088,49.808 -19.263,50.982 -19.263,56.91
GND on BOT "GNDNET_L01_P297" (solid, remove dead copper, pour order 297): -45.72,-9.449 45.72,-9.449 45.72,1.513 45.72,81.28 -45.72,81.28
GND on DVERT "GND_L06_P322" (solid, pour order 322): 14.917,54.044 14.917,55.303 15.154,55.54 18.348,55.54 18.618,55.27 18.618,54.059 18.385,53.825 15.136,53.825
GND on DVERT "GND_L06_P321" (solid, pour order 321): 16.256,45.237 14.529,45.237 14.376,45.39 14.376,47.193 14.684,47.501 16.126,47.501 16.408,47.219 16.408,45.39

## Keep-outs
BOT:
  lines w0.8: 19.67,54.135 19.67,55.659
Keep-Out Layer:
  lines w0.8: -21.38,24.137 -19.872,32.637 ; -19.7,54.086 -19.7,55.61 ; -18.849,38.494 -17.611,45.517 ; -14.706,-0.305 -14.706,2.235 ; -10.514,59.953 -2.568,59.953 ; -5.185,-1.826 5.18,-1.826 ; 2.53,59.936 10.476,59.936 ; 14.706,-0.305 14.706,2.235 ; 17.52,46.071 18.941,37.978 ; 19.813,33.071 21.496,23.486